# KiCad board Inkplate10_Soldered.kicad_pcb (continued)
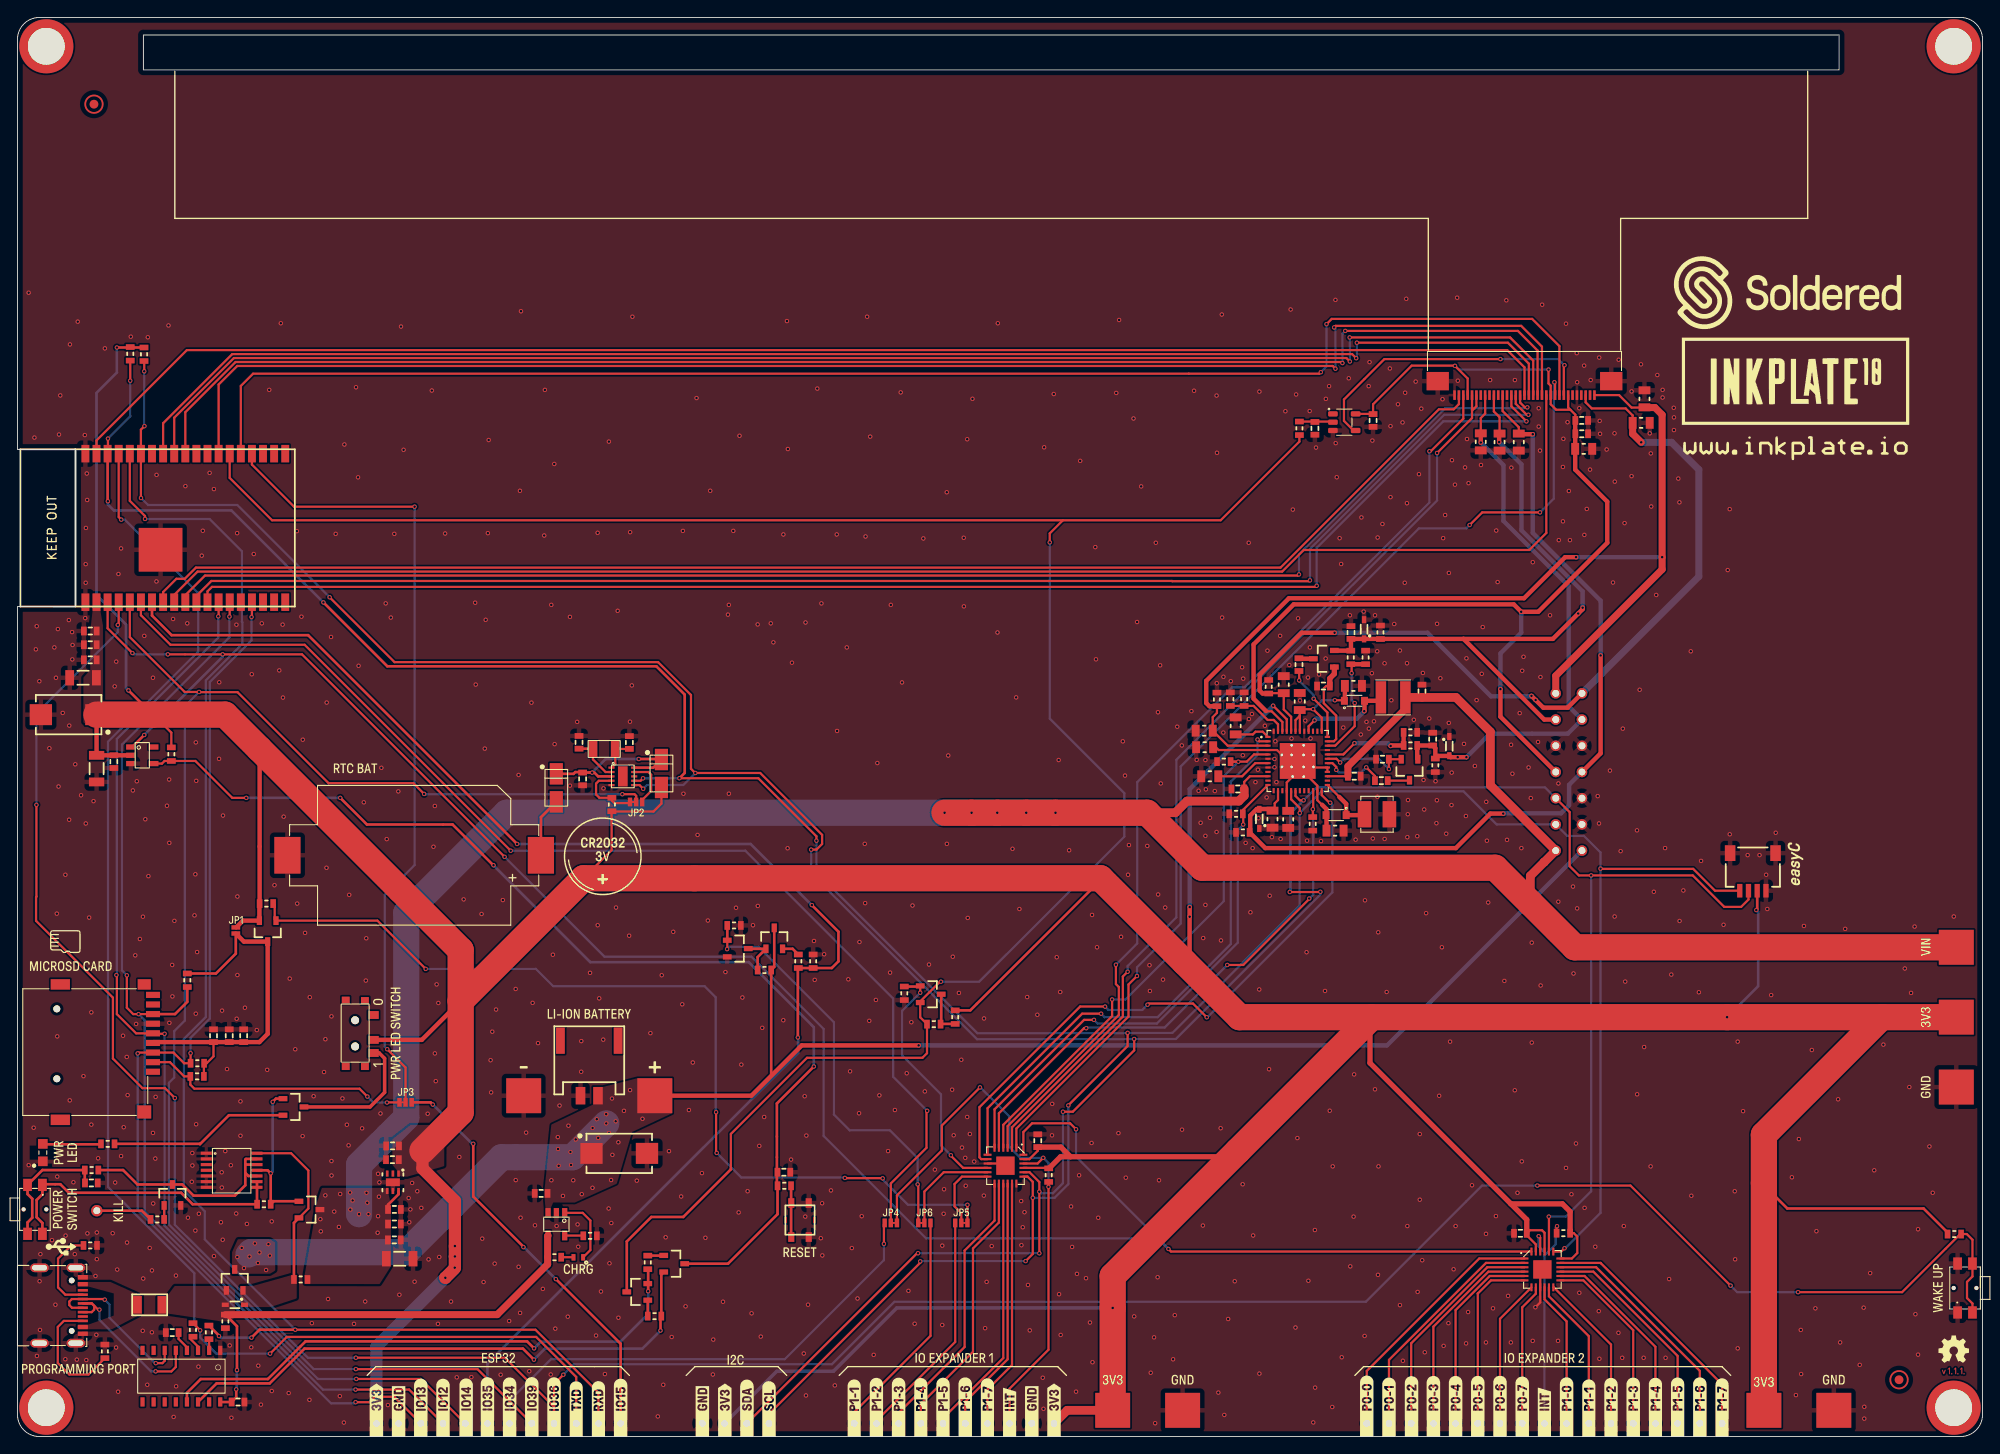
[diagram p0: board, top side]
## Routing (per net, layer and track width the routed paths; a pad name or vN(x,y) marks a point on that pad's centre or on a via; arc(x,y) is an arc through that point) (continued)
/MCU/GPB_3: length 32
  Top w0.254: U9.13 111.78,24.72 108.35,21.29 108.35,10.25 100.8,2.7 K19.1
/MCU/GPB_4: length 31.2
  Top w0.254: K20.1 103.34,3.72 109.31,9.69 109.31,21.53 112.28,24.5 U9.14
/MCU/GPB_5: length 30.3
  Top w0.254: K23.1 105.88,2.09 112.78,8.99 U9.15
/MCU/GPB_6: length 29.5
  Top w0.254: K21.1 108.42,3.99 113.28,8.84 U9.16
/MCU/GPB_7: length 28.6
  Top w0.254: K22.1 110.96,5.38 111.7,6.12 111.71,6.12 113.78,8.19 U9.17
/MCU/INTB: length 67.8
  Top w0.254: 117.97,29.15 117.95,29.12 v1(117.95,28.57) 117.95,9.94 113.5,5.49 K15.1 ; 100.61,24.33 100.61,27.6 105.75,32.74 105.75,35.6 v1(110.11,39.96) ; v1(117.35,31.9) 116.7,31.25 U9.22
  Bottom w0.254: v1(117.35,31.9) 114.72,31.9 113.46,33.16 113.46,36.64 110.14,39.96 v1(110.11,39.96) ; v1(117.35,31.9) 117.95,31.3 v1(117.95,28.57) ; v1(117.35,31.9) 117.33,31.88
/MCU/INTB_K3_JP: length 134.9
  Top w0.254: v1(104.07,37.28) 103.99,37.2 103.99,33.05 99.91,28.97 99.91,24.33 ; v1(56.43,67.05) 32.85,90.62 17.5,90.62 14.12,94 U10.6
  Bottom w0.254: v1(56.43,67.05) 83.28,67.05 83.28,67.03 100.18,50.13 100.18,41.18 v1(104.07,37.28)
/MCU/IO_EX2_INT: length 28.3
  Top w0.254: U11.22 174.2,22.76 v1(174.02,22.93) ; 176.11,24.09 v1(176.13,24.07) 176.08,24.03 R48.2
  Bottom w0.254: 174.68,20.72 K49.1 ; 174.68,20.72 175.97,22.01 175.97,23.92 v1(176.13,24.07) ; 174.68,20.72 174.68,21.11 174.02,21.77 v1(174.02,22.93)
/POWER/INT_LDO: length 6.3
  Top w0.254: C4.2 140.1,75.57 141.61,77.07 U1.7
/POWER/TS: length 7.1
  Top w0.254: R3.2 141.41,83.62 143.01,82.02 143.71,82.02 144.21,81.53 U1.47
/POWER/VB: length 14.6
  Top w0.254: U1.37 149.21,82.27 v1(148.22,83.25) 146.78,83.25 C12.2 146.69,82.48 ; U1.43 146.21,82 146.69,82.48 ; 146.69,82.48 146.71,82.47 U1.42 ; v1(150.71,84.28) 151.74,84.28 D3.1
  Top w0.5: 151.84,85.9 151.86,85.89 151.86,84.27 D3.1
  Bottom w0.254: v1(150.71,84.28) 149.25,84.28 v1(148.22,83.25)
/POWER/VB_SW: length 10.9
  Top w0.254: U1.40 147.71,81.29 v1(148.38,81.97)
  Top w0.5: L2.2 155.59,84.21 D3.2 154.1,83.05 v1(154.08,83.03)
  Bottom w0.5: v1(154.08,83.03) 153.22,82.17 148.58,82.17 v1(148.38,81.97)
/POWER/VN: length 22
  Top w0.254: 145.35,71.81 145.21,71.95 145.21,74.87 U1.49 ; 149.25,72.31 149.23,72.31 148.71,72.84 148.71,74.5 147.68,75.53 147.14,75.53 ; U1.49 148.32,76.57 U1.29 U1.28 ; C3.2 137.09,78.9 137.41,78.57 U1.4 144.09,78.57 U1.49
  Top w0.5: 149.25,72.31 149.75,71.81 C9.2
/POWER/VN_SW: length 6.3
  Top w0.254: U1.25 151.21,73.22 151.21,73.21
  Top w0.5: 151.21,73.21 152,72.42 D1.1 153.85,71.12 153.93,71.05
/POWER/VREF: length 4.1
  Top w0.254: C1.2 141.33,80.37 141.64,80.67 142.46,80.67 U1.1
/SD_RTC_GPIO/CLKOUT_RTC: length 5.4
  Top w0.254: 71.48,72.88 72.49,73.89 72.49,75.75 72.18,76.06 U7.9
/SD_RTC_GPIO/X1: length 3.9
  Top w0.254: U7.1 68.39,77 X1.1 69.99,78.7 C34.2
/SD_RTC_GPIO/X2: length 5.5
  Top w0.254: U7.2 67.28,76.06 65.84,77.5 X1.2
  Top w0.3: C35.2 65.81,78.73 X1.2
D+: length 19.9
  Top w0.254: K2.B6 8.49,14.24 8.77,14.52 8.77,14.95 8.48,15.24 K2.A6 8.51,15.24 9.23,14.52 v1(9.37,14.52) ; U3.5 18.12,7.97 17.6,7.45 15.81,7.45 v1(15.8,7.46)
  Bottom w0.254: v1(15.8,7.46) 15.27,7.46 9.37,13.36 v1(9.37,14.52)
D-: length 18.4
  Top w0.254: v1(9.98,15.67) 9.91,15.74 K2.B7 6.22,15.74 5.93,15.45 5.93,15.04 6.23,14.74 K2.A7 ; v1(15.82,8.4) 16.57,8.4 16.84,8.67 U3.6
  Bottom w0.254: v1(9.98,15.67) 10.53,15.12 10.53,13.58 15.71,8.4 v1(15.82,8.4)
EPD_CKV: length 159.3
  Top w0.254: K12.32 164.9,118.17 164.3,117.58 162.61,117.58 144.49,99.46 20.41,99.46 19.13,98.17 18.18,98.17 16.66,96.66 16.66,95.5
EPD_CL: length 35.1
  Top w0.254: v1(169.65,123.33) 156.38,123.33 151.75,118.7 151.75,116.25 152.85,115.15 U8.4 ; K12.8 176.9,122.55 v1(176.98,122.62)
  Bottom w0.254: v1(176.98,122.62) 176.28,123.33 v1(169.65,123.33)
EPD_D0: length 171.9
  Top w0.254: U10.26 23.01,120.41 25.14,122.54 150.46,122.54 v1(150.78,122.22) ; v1(150.62,126.95) 150.8,127.13 172.02,127.13 174.4,124.75 K12.13
  Bottom w0.254: v1(150.62,126.95) 150.78,126.8 v1(150.78,122.22)
EPD_D1: length 171.5
  Top w0.254: K12.14 173.9,124.3 171.65,126.55 v1(151.9,126.55) ; v1(151.58,122.87) 151.58,122.98 151.57,122.99 24.95,122.99 19.2,117.24 U10.29
  Bottom w0.254: v1(151.9,126.55) 151.58,126.22 v1(151.58,122.87)
EPD_D2: length 170.4
  Top w0.254: v1(152.43,123.05) 152.03,123.44 24.76,123.44 17.93,116.61 U10.30 ; K12.15 173.4,123.15 170.75,125.8 v1(152.4,125.8)
  Bottom w0.254: v1(152.43,123.05) 152.43,125.78 v1(152.4,125.8)
EPD_D3: length 169.5
  Top w0.254: v1(153.15,123.42) 152.68,123.9 24.57,123.9 16.66,115.98 16.66,112.5 ; K12.16 172.9,122.8 170.5,125.2 v1(153.22,125.2)
  Bottom w0.254: v1(153.22,125.2) 153.22,123.5 v1(153.15,123.42)
EPD_D4: length 173.1
  Top w0.254: K12.17 172.4,122.38 170.42,124.35 19.38,124.35 9.04,114.02 U10.37
EPD_D5: length 166.5
  Top w0.254: U10.10 19.2,96.3 21.45,98.55 146.47,98.55 v1(146.6,98.67) ; K12.18 171.9,118.35 172.45,117.8 v1(172.72,117.8)
  Bottom w0.254: v1(172.72,117.8) 172.63,117.7 163.33,117.7 146.6,100.97 v1(146.6,98.67)
EPD_D6: length 166.8
  Top w0.254: v1(147.86,98) 147.76,97.9 132.11,97.9 132.08,97.93 22.18,97.93 20.47,96.22 U10.11 ; v1(172.85,116.95) 172.66,116.95 171.4,118.21 K12.19
  Bottom w0.254: v1(172.85,116.95) 163.22,116.95 147.86,101.59 v1(147.86,98)
EPD_D7: length 166.4
  Top w0.254: v1(172.63,116.2) 170.9,117.92 K12.20 ; U10.12 21.74,96.74 22.25,97.25 148.5,97.25 v1(148.62,97.38)
  Bottom w0.254: v1(172.63,116.2) 163.11,116.2 148.62,101.72 v1(148.62,97.38)
EPD_GMODE: length 110
  Top w0.254: K12.28 166.9,117.92 166.4,117.42 ; 166.4,117.42 166.4,116.58 v1(162.4,112.58) ; 166.4,117.42 K12.29 ; v1(127,53.2) 126.45,52.65 126.45,48.07 113.78,35.39 U9.2
  Bottom w0.254: v1(127,53.2) 127,53.85 132.58,59.43 132.58,77.47 140.42,85.31 140.57,85.31 162.4,107.14 v1(162.4,112.58)
EPD_LE: length 171.5
  Top w0.254: U10.24 25.55,120.25 26.95,121.65 134,121.65 134,121.65 148.92,121.65 v1(149.1,121.83) ; v1(149.75,127.33) 150.35,127.92 173.28,127.92 176.4,124.8 K12.9
  Bottom w0.254: v1(149.1,121.83) 149.75,122.47 v1(149.75,127.33)
EPD_OE: length 121.7
  Top w0.254: v1(128.07,52.71) 127.1,51.74 127.1,48.07 114.28,35.25 U9.1 ; v1(166.13,104.33) 167.57,105.78 v1(174.17,105.78) ; K12.10 175.9,120.6 v1(175.82,120.67)
  Bottom w0.254: v1(175.82,120.67) 175.75,120.6 175.75,107.35 v1(174.17,105.78) ; v1(166.13,104.33) 165.74,103.95 160.33,103.95 133.07,76.69 133.07,58.71 128.07,53.71 v1(128.07,52.71)
EPD_SPH: length 176.5
  Top w0.254: U10.9 17.93,96.33 20.6,99 144.68,99 147.15,101.47 172.95,101.47 174.9,103.42 K12.12
EPD_SPV: length 108.9
  Top w0.254: v1(161.53,112.78) 161.67,112.78 165.4,116.5 K12.31 ; v1(125.66,54) 125.66,51.79 126,51.45 126,48.25 113.28,35.53 U9.3
  Bottom w0.254: v1(125.66,54) 128.1,56.44 128.1,74.9 138.96,85.76 140.38,85.76 161.53,106.91 v1(161.53,112.78)
GPB_2: length 107.2
  Top w0.254: v1(98.97,29.55) 98.95,29.57 94.68,29.57 v1(94.65,29.6) ; JP5.1 v1(108.68,26.53) ; v1(79.92,37.12) 79.92,32.53 v1(79.99,32.46) ; 29.25,61 29.43,60.82 29.43,59.2 Q10.1 41.18,59.05 v1(46.7,53.53)
  Bottom w0.254: v1(79.92,37.12) 79.88,37.16 79.88,50.28 78.6,51.55 61.28,51.55 59.3,53.53 v1(46.7,53.53) ; v1(108.68,26.53) 101.88,26.53 98.97,29.43 v1(98.97,29.55) ; v1(79.99,32.46) 82.8,29.65 94.6,29.65 v1(94.65,29.6)
GPIO15: length 48
  Top w0.3: v1(57.88,21.68) 57.88,21.73 52.14,27.47 v1(52.14,33.51) ; v1(47.51,38) 47.26,38.25 JP3.3 ; v1(61.59,18.02) 61.6,18.02 69,10.62 K38.1
  Bottom w0.3: v1(47.51,38) 52,33.51 v1(52.14,33.51) ; v1(61.59,18.02) 57.93,21.68 v1(57.88,21.68)
GPIO_0: length 260.8
  Top w0.254: U10.25 24.28,109.72 29.12,104.88 119.59,104.88 ; v1(118.09,102.34) 118.09,103.37 119.59,104.88 ; 119.59,104.88 137.65,104.88 146.65,113.88 R46.1 ; v1(105.64,52.06) 105.53,52.06 103.28,49.81 Q1.2 103.28,47.98 R21.1 104.05,43.88 103.53,43.35 90.33,43.35 81.61,34.63 81.61,30.67
  Top w0.3: Q3.3 69.71,22.32 72.51,25.13 76.16,25.13 81.61,30.58 81.61,30.67
  Bottom w0.254: v1(118.09,102.34) 118.09,82.17 126.62,73.64 126.62,68.66 110.02,52.06 v1(105.64,52.06)
GPIO_0_MOSFET: length 29.2
  Top w0.254: v1(106.78,32.19) 106.78,32.15 108.18,30.75 U9.10 ; v1(103.28,50.8) Q1.1
  Top w0.3: R19.2 103.21,51.5 Q1.1
  Bottom w0.254: v1(103.28,50.8) 101.2,48.72 101.2,43.62 105.65,39.18 105.65,33.32 v1(106.78,32.19)
GPIO_36: length 328.4
  Top w0.254: SW3.2 223.65,15.22 223.03,15.85 223.03,17.7 223.65,18.32 SW3.2 223.65,22.53 223,23.18 R41.1 222.25,23.18 215.6,16.53 v1(203.7,16.53) ; 61.38,3.4 K37.1 ; 61.38,3.4 55.75,9.02 v1(38.71,9.02) ; 61.38,3.4 61.38,6 v1(62.45,7.07) ; 11.58,95.5 11.58,93 v1(11.47,92.9) ; v1(18,38.75) 16.88,39.88 14.3,39.88 10.92,43.26 10.92,50.23 2.12,59.03 2.12,61.75 2.17,61.79 v1(2.17,72.3) ; v1(195.97,17.28) 184.53,28.72 v1(173.88,28.72)
  Bottom w0.254: v1(11.47,92.9) 11.47,92.07 2.17,82.77 v1(2.17,72.3) ; v1(173.88,28.72) 167.55,28.72 154.25,15.43 100.33,15.43 93.18,8.28 63.65,8.28 v1(62.45,7.07) ; v1(195.97,17.28) 196.72,16.53 v1(203.7,16.53) ; v1(18,38.75) 18,24.24 33.23,9.01 38.7,9.01 v1(38.71,9.02)
GPIO_39: length 183.2
  Top w0.254: U10.5 12.85,91.5 19.12,85.22 v1(20.78,85.22) 20.8,85.2 25.17,85.2 35.59,74.78 45.29,74.78 v1(46.52,73.55) ; v1(38.71,7.72) 38.72,7.71 52.63,7.71 K36.1 ; v1(69.2,73.52) 70.59,73.52 70.78,73.33 70.78,72.88
  Bottom w0.254: v1(38.71,7.72) 33.88,7.72 17.32,24.28 17.32,40.48 17.93,41.09 17.93,46.39 19.15,47.61 19.15,83.6 v1(20.78,85.22) ; v1(46.52,73.55) 46.56,73.51 69.19,73.51 v1(69.2,73.52)
I2C_SCL: length 389.9
  Top w0.254: v1(103.28,20.05) 103.28,19.89 85.97,2.59 K6.1 ; v1(127,46.2) 127,44.7 120.22,37.92 v1(120.22,37.9) ; U10.36 10.35,112.54 v1(10.35,114.22) ; U7.7 71.28,75.06 v1(71.56,75.34) ; v1(91.4,68.2) 91.4,68.7 84.75,75.35 v1(75.72,75.35) ; U11.19 176.6,21.18 v1(176.98,21.55) ; 145.71,73.93 145.71,72.93 146.69,71.95 v1(146.69,71.37) ; v1(181.1,65) 181.13,64.97 191.7,64.97 194.2,62.47 K3.1 ; U9.19 115.55,29.75 116.15,29.15 v1(116.15,27.32) 116.15,20.9 v1(115.33,20.08) ; R1.1 v1(12.9,120.85)
  Top w0.3: v1(10.34,107.05) 10.31,107.08 U10.36 ; v1(75.72,75.35) 76.33,75.96 76.33,84.92 73.09,88.16 42.31,88.16 v1(35,95.47)
  Bottom w0.254: v1(91.4,68.2) 91.4,64.57 109.81,46.16 126.96,46.16 v1(127,46.2) 132.12,46.2 146.68,60.75 146.68,71.35 v1(146.69,71.37) 149.17,73.85 165.42,73.85 169.21,70.06 K1.6 177.29,68.75 179.2,68.75 181.1,66.85 181.1,25.6 177.05,21.55 v1(176.98,21.55) ; v1(115.33,20.08) 103.31,20.08 v1(103.28,20.05) ; v1(71.56,75.34) 75.63,75.34 75.64,75.35 v1(75.72,75.35) ; v1(12.9,120.85) 12.9,116.78 v1(10.35,114.22) ; v1(120.22,37.9) 120.22,28.9 118.65,27.32 v1(116.15,27.32)
  Bottom w0.3: v1(10.34,107.05) 10.34,106.69 11.03,106 24.47,106 v1(35,95.47)
I2C_SDA: length 401.7
  Top w0.254: v1(35.71,96.06) 43.13,88.64 73.29,88.64 77.05,84.88 77.05,76.43 77.53,75.95 v1(77.55,75.95) 84.97,75.95 92.05,68.87 92.05,67.82 91.4,67.18 v1(90.8,67.18) ; v1(71.58,74.14) 71.16,74.56 U7.6 ; K1.5 177.57,71.47 177.57,65.28 178.63,64.22 v1(180.03,64.22) 191.65,64.22 195.26,60.62 197.18,60.62 198.03,61.47 K3.2 ; v1(145.55,62.32) 149.03,62.32 v1(149.05,62.35) ; U9.20 115.78,30.25 116.9,29.12 v1(116.9,28.03) v1(116.9,20.97) ; v1(14.13,107.42) 14.12,107.43 U10.33 14.12,115.25 v1(14.53,115.65) ; v1(175.18,25.17) 175.2,25.15 U11.20 ; 146.21,73.93 146.21,73.32 146.71,72.82 v1(147.13,72.82) ; K7.1 102.91,20.98 v1(103.02,20.98) ; v1(119.6,37.18) 120.72,37.18 127.75,44.2 v1(127.75,45.5) ; R4.1 14.5,123.08 v1(14.5,121.92)
  Bottom w0.254: v1(103.02,20.98) 116.9,20.98 v1(116.9,20.97) ; v1(35.71,96.06) 25.15,106.62 14.94,106.62 14.14,107.42 ; v1(116.9,28.03) 117.08,27.85 118.45,27.85 119.6,29 v1(119.6,37.18) ; v1(71.58,74.14) 72.01,74.57 76.17,74.57 v1(77.55,75.95) ; v1(175.18,25.17) 175.19,25.18 177.13,25.18 180.03,28.07 v1(180.03,64.22) ; v1(14.5,121.92) 14.5,115.67 v1(14.53,115.65) ; v1(147.13,72.82) 148.61,74.3 174.74,74.3 K1.5 ; v1(149.05,62.35) 149.05,62.03 132.52,45.5 v1(127.75,45.5) 127.72,45.47 109.78,45.47 90.8,64.45 v1(90.8,67.18)
  Bottom w0.3: v1(147.13,72.82) 147.12,72.82 145.62,71.32 145.62,62.4 v1(145.55,62.32)
INT: length 67.2
  Top w0.254: v1(141.86,79.78) 142.06,79.57 U1.2 ; U9.7 110.97,37.57 121.8,48.4 v1(123.97,48.4)
  Bottom w0.254: v1(141.86,79.78) 141.86,78.02 138.8,74.96 138.8,56.37 130.43,48 124.37,48 v1(123.97,48.4)
MANUAL_RST: length 124.4
  Top w0.254: U2.4 16.53,77.03 16.83,77.32 R22.1 20.35,77.32 24.58,73.1 v1(26.18,73.1)
  Top w0.3: v1(36.93,73.1) 39.97,70.05 49.78,70.05 54.43,65.39 v1(54.46,65.39) ; Q2.3 81.28,19.78 86.95,25.45 R33.2 86.88,28.78 86.88,38.12 v1(91.1,42.35)
  Bottom w0.3: v1(54.46,65.39) 54.46,65.37 65.53,54.3 83.65,54.3 91.1,46.85 v1(91.1,42.35) ; v1(26.18,73.1) v1(36.93,73.1)
PWR_GOOD: length 71.1
  Top w0.254: 149.21,73.93 149.21,73.42 150.08,72.55 v1(150.18,72.55) ; v1(136.05,47.99) 134.48,49.56 129.41,49.56 v1(129.28,49.43) ; U9.8 110.25,31.75 110.05,31.95 110.05,37.7 121.57,49.22 124.41,49.22 v1(124.42,49.21)
  Bottom w0.254: v1(136.05,47.99) 136.13,47.99 150.43,62.28 150.43,72.3 v1(150.18,72.55) ; v1(124.42,49.21) 124.81,48.82 128.68,48.82 v1(129.28,49.43)
PWRUP: length 63.1
  Top w0.254: U9.5 112.28,37 122.02,46.74 v1(122.27,46.74) ; v1(138.4,53.97) 140.22,53.97 147.78,61.53 v1(147.78,61.58) ; 148.21,73.93 148.23,73.9 148.23,71.84 v1(148.19,71.8) 148.19,70.91 R7.1
  Bottom w0.254: v1(148.19,71.8) 148.22,71.76 148.22,62.03 v1(147.78,61.58) ; v1(122.27,46.74) 122.35,46.82 131.25,46.82 v1(138.4,53.97)
RST: length 245
  Top w0.254: v1(17.2,89.53) v1(23.48,89.53) 32.55,89.53 v1(55.72,66.35) ; v1(121.1,35.17) 120.42,35.85 116.07,35.85 115.08,34.85 U9.24 ; v1(131.67,21.47) 131.97,21.18 U11.24 ; v1(13.15,89.68) 10.31,92.51 U10.3
  Top w0.3: 12.98,78.93 13.12,78.93 v1(14.5,80.3)
  Bottom w0.254: v1(55.72,66.35) 67.15,54.93 83.95,54.93 92.22,46.65 92.22,34.4 103.94,22.68 130.46,22.68 v1(131.67,21.47) 121.1,32.04 v1(121.1,35.17) ; v1(13.15,89.68) 13.3,89.53 v1(17.2,89.53)
  Bottom w0.3: v1(23.48,89.53) 23.48,89.28 v1(14.5,80.3)
RXD: length 170.1
  Top w0.254: v1(14.59,105.03) 14.59,105.36 12.85,107.1 U10.34 ; K17.1 66.46,5.02 59.25,12.22 v1(31.78,12.22)
  Top w0.3: 21.84,12.76 23.05,11.55 v1(23.05,11.5) ; v1(26.77,11.32) 27.68,12.22 v1(31.78,12.22)
  Bottom w0.254: v1(31.78,12.22) 21.43,22.57 21.43,25.78 19.03,28.18 19.03,45.5 21.55,48.02 21.55,86.55 25.73,90.73 25.73,93.21 25.68,93.26 25.68,101.33 21.98,105.03 14.59,105.03 v1(14.59,105.03)
  Bottom w0.3: v1(23.05,11.5) 23.23,11.32 v1(26.77,11.32)
SPI_CS: length 92.4
  Top w0.254: U10.23 26.82,111.25 31.64,106.43 v1(45.43,106.43) ; JP3.2 44.4,42.23 v1(42.3,44.33)
  Bottom w0.254: v1(45.43,106.43) 45.43,65.41 42.02,62 42.02,44.61 v1(42.3,44.33)
SPI_MISO: length 128.3
  Top w0.254: v1(38.68,5.38) 44.81,5.38 K26.1 ; v1(12.51,52.79) 12.51,49.08 13.24,48.35 v1(13.85,48.35) K11.7 ; U10.14 24.28,93.88 v1(24.25,93.85)
  Top w0.3: K11.7 18.02,48.35 19.43,49.75 R45.1
  Bottom w0.254: v1(38.68,5.38) 34.94,5.38 14.55,25.77 14.55,47.65 v1(13.85,48.35) ; v1(12.51,52.79) 11.95,53.35 11.95,79.19 24.25,91.49 v1(24.25,93.85)
SPI_MOSI: length 123.3
  Top w0.254: v1(13.75,43.85) 13.85,43.95 K11.3 17.84,43.95 19.07,42.72 19.8,42.72 v1(19.8,43.88) ; U10.16 26.82,93.84 v1(26.78,93.8) ; v1(38.68,3.93) 40.25,3.93 40.87,4.55 43.1,4.55 46.14,1.51 K27.1
  Bottom w0.254: v1(26.78,93.8) 26.78,91.13 22,86.36 22,47.83 19.8,45.63 v1(19.8,43.88) ; v1(13.75,43.85) 13.75,25.93 35.88,3.8 38.55,3.8 v1(38.68,3.93)
SPI_SCK: length 124.1
  Top w0.254: U10.13 23.01,93.91 v1(22.98,93.88) ; v1(16.83,46.1) 15.55,46.1 K11.5 13.57,46.15 11.37,48.35 11.37,52.77 v1(11.32,52.82) ; v1(38.76,6.59) 46.13,6.59 K25.1
  Bottom w0.254: v1(22.98,93.88) 22.98,91.46 11.37,79.85 11.37,52.87 v1(11.32,52.82) ; v1(16.83,46.1) 16.83,24.13 34.37,6.59 v1(38.76,6.59)
SW_IN: length 19.9
  Top w0.254: Q9.2 33.28,26.1 33.28,30.45 31.3,32.43 27.4,32.43
  Top w0.3: R34.1 31.62,24.45 Q9.2
SW_OUT_D: length 18.2
  Top w0.3: U5.11 28.62,30.47 v1(28.97,30.12) R38.2 29.31,26.93 32.19,26.93 32.2,26.93 ; Q6.1 29.56,38.68 v1(29.2,38.31)
  Bottom w0.3: v1(28.97,30.12) 29.2,30.36 v1(29.2,38.31)
TXD: length 166.8
  Top w0.254: K16.1 63.92,6.82 59.34,11.4 30.81,11.4 v1(28.9,9.49) ; 11.58,112.5 11.58,105.24 v1(11.87,104.95) ; v1(20.9,12.15) R23.2
  Bottom w0.254: v1(28.9,9.49) 22.74,9.49 20.9,11.33 v1(20.9,12.15) 20.23,12.82 20.23,18.69 10.35,28.57 10.35,79.53 20.68,89.85 20.68,96.55 12.28,104.95 v1(11.87,104.95)
V_BAT: length 170.2
  Top w0.3: U10.7 15.39,93.96 17.62,91.72 33.25,91.72 v1(57.15,67.82) ; v1(90.88,60.82) 93.92,57.78 93.92,54.39 93.16,53.62 R31.2 R30.1 89.28,53.57 v1(89.28,45.68)
  Bottom w0.3: v1(90.88,60.82) 83.88,67.82 v1(57.15,67.82) ; v1(89.28,45.68) 89.3,45.65 89.3,43.91 53.76,8.37 K14.1
V_BAT_MOS: length 48.3
  Top w0.254: JP6.1 103.05,28.79 v1(102.98,28.86) ; v1(81.18,55.79) 81.2,55.81 Q4.1
  Top w0.3: Q4.1 81.2,58.5
  Bottom w0.254: v1(81.18,55.79) 81.44,56.05 84.78,56.05 93.4,47.43 93.4,36.85 95.2,35.05 99.8,35.05 102.98,31.87 v1(102.98,28.86)
VCOM: length 100.6
  Top w0.254: 143.83,71.83 143.83,72.47 144.21,72.85 144.21,73.93 ; C56.2 171.75,115.53 169.9,117.38 K12.22
  Top w0.5: v1(181.11,89.4) 181.11,78.2 K1.11 ; v1(169.97,71.3) 168.5,71.3 164.55,67.35 142.75,67.35 R11.2 141.02,69.22 141.02,71.07 141.78,71.82 143.82,71.82 143.83,71.83 ; C56.2 171.83,114.72 v1(173.35,114.72)
  Bottom w0.5: v1(169.97,71.3) 170,71.32 176.58,71.32 177.5,72.25 177.5,74.59 K1.11 ; v1(173.35,114.72) 173.35,103.42 181.11,95.66 v1(181.11,89.4)
VCOM_CTRL: length 60
  Top w0.254: v1(123.15,47.69) 122.02,47.69 111.78,37.45 U9.6 ; U1.12 140.22,71.75 v1(140.22,70.05)
  Bottom w0.254: v1(140.22,70.05) 139.6,69.43 139.6,56.53 130.35,47.28 123.56,47.28 v1(123.15,47.69)
VNEG: length 117.6
  Top w0.254: K12.1 183.22,119.2 184.65,117.78 186.15,117.78 ; U1.3 138.45,79.07 C2.2 136.74,82.34 137.22,82.83 R8.1
  Top w0.5: v1(178.3,100.65) 177.05,100.65 172.35,95.95 145.45,95.95 135.99,86.49 135.99,83.96 136.36,83.59 R8.1
  Top w0.8: 186.15,117.78 187.33,117.78 188.15,116.95 v1(188.15,100.65) 188.15,99.25 175.97,87.07 K1.1
  Bottom w0.5: v1(188.15,100.65) v1(178.3,100.65)
VPOS: length 102.6
  Top w0.254: U1.44 145.71,82.38 144.86,83.22 C13.2 143.18,85.09 R9.1 ; C54.2 184.78,116.88 183.97,117.67 180.1,117.67 179.4,118.38 K12.3
  Top w0.5: v1(173.2,84.78) v1(173.67,84.3) 174.55,83.43 177.34,83.43 K1.14 ; R9.1 142.44,85.04 142.11,85.38 142.11,87.2 146.91,92 v1(150.68,92)
  Top w0.8: C54.2 184.78,114.78 v1(185.76,113.8)
  Bottom w0.5: v1(150.68,92) 161.3,92 168.58,84.72 173.15,84.72 v1(173.2,84.78) v1(173.67,84.3)
  Bottom w0.8: K1.14 192.35,98.44 192.35,110.67 189.23,113.8 v1(185.76,113.8)
VUSB: length 54.7
  Top w0.3: U3.16 23.21,3.95 C20.2 25.03,4.47 v1(25.03,5.4) ; R36.2 25.11,12.62 v1(25.11,7.6)
  Top w0.8: R36.2 54.89,13.96 60.65,19.72 R28.1 60.65,22.95 U4.4
  Bottom w0.3: v1(25.03,5.4) 25.1,5.47 25.1,7.59 v1(25.11,7.6)
WAKEUP: length 61.7
  Top w0.254: v1(125.22,50.03) 125.22,48.12 112.78,35.67 U9.4 ; v1(139.67,77.24) 138.79,77.24 R5.1 140.64,77.25 141.47,78.07 U1.5
  Bottom w0.254: v1(139.67,77.24) 138,75.57 138,61.28 126.75,50.03 v1(125.22,50.03)
Net-(C16-Pad1): length 2.5
  Top w0.254: D6.3 159.2,75.07 C16.1
Net-(C17-Pad2): length 1.7
  Top w0.5: 148.25,89.03 146.66,89.03 C17.2
Net-(C22-Pad2): length 2.4
  Top w0.254: U3.4 19.39,10.22 18.43,11.17 C22.2
Net-(C32-Pad2): length 14.8
  Top w0.3: C32.2 7.7,29.04 R39.1 2.85,30.5 SW2.2 1.15,27.75 1.69,27.21 1.69,25.04 1.15,24.5 SW2.2
Net-(C40-Pad2): length 3.9
  Top w0.254: 146.65,116.17 150.41,116.17 U8.2
Net-(D8-Pad1): length 1.4
  Top w0.254: R28.2 63.59,20.53 D8.1
Net-(D8-Pad2): length 7.9
  Top w0.254: U4.1 64.66,25.6 65.54,24.72 65.54,21.34 D8.2
Net-(D9-Pad1): length 6.2
  Top w0.3: 9.52,33.47 9.5,33.45 3.35,33.45
Net-(D12-Pad1): length 6.8
  Top w0.3: D12.1 59.88,70.89 K10.+
Net-(JP2-Pad1): length 7.7
  Top w0.254: U7.4 66.51,75.06 66.19,74.74 66.19,73.49 66.56,73.12 R42.1 68,72.8 68.3,72.5 69.94,72.5 70.07,72.63
Net-(JP3-Pad1): length 30.7
  Top w0.254: JP3.1 42.29,38.25 v1(42.27,38.23) ; K11.2 17.44,42.85 19.07,41.22 R43.1 19.78,40.28 20.24,39.81 39.13,39.81 v1(40.03,38.91)
  Bottom w0.254: v1(40.03,38.91) 40.71,38.23 v1(42.27,38.23)
Net-(JP4-Pad3): length 56.3
  Top w0.254: 99.2,24.32 99.12,24.24 v1(99.12,22.06)
  Bottom w0.254: K13.1 56.3,4.12 61.03,8.85 87.78,8.85 99.12,20.19 v1(99.12,22.06)
Net-(JP5-Pad2): length 8.9
  Top w0.254: U9.12 108.05,29.75 107.2,28.9 107.2,26.35 107.97,25.57 JP5.2
Net-(JP5-Pad3): length 26.7
  Top w0.254: JP5.3 107.28,10.82 98.26,1.81 K18.1
Net-(JP6-Pad2): length 11.7
  Top w0.254: JP6.2 103.75,28.04 105.96,30.25 U9.11
Net-(JP6-Pad3): length 26.6
  Top w0.254: K24.1 95.72,2.79 104.45,11.53 JP6.3
Net-(K2-PadA5): length 10
  Top w0.254: K2.A5 5.47,16.24 4.64,17.07 4.64,20.37 6.15,21.88 R18.1
Net-(K2-PadB5): length 14
  Top w0.254: K2.B5 5.31,13.24 4.61,12.54 4.61,8.41 5.93,7.1 8.12,7.1 R17.1
Net-(K9-Pad1): length 6.6
  Top w0.3: K9.1 14.23,25.85 R37.2
Net-(K28-Pad1): length 29.4
  Top w0.254: U11.1 167.22,20.38 154.36,7.51 K28.1
Net-(K29-Pad1): length 27.4
  Top w0.254: U11.2 168,19.88 156.9,8.78 K29.1
Net-(K30-Pad1): length 25.7
  Top w0.254: U11.3 168.14,19.38 159.44,10.67 K30.1
Net-(K31-Pad1): length 24.1
  Top w0.254: U11.4 168.28,18.88 161.98,12.57 K31.1
Net-(K32-Pad1): length 22.5
  Top w0.254: U11.5 168.42,18.38 164.52,14.47 K32.1
Net-(K33-Pad1): length 20.8
  Top w0.254: U11.6 168.57,17.88 167.06,16.37 167.06,16.37 K33.1
Net-(K34-Pad1): length 17.1
  Top w0.254: U11.7 169.6,13.47 K34.1
Net-(K35-Pad1): length 16.2
  Top w0.254: K35.1 172.14,14.79 173.7,16.35 U11.8
Net-(K39-Pad1): length 16.6
  Top w0.254: U11.10 174.7,15.7 177.22,13.18 K39.1
Net-(K40-Pad1): length 17.5
  Top w0.254: U11.11 175.2,16.05 179.76,11.49 K40.1
Net-(K41-Pad1): length 18.3
  Top w0.254: K41.1 182.3,10.53 175.75,17.07 U11.12
Net-(K42-Pad1): length 21.4
  Top w0.254: K42.1 184.84,12.17 179.13,17.88 U11.13
Net-(K43-Pad1): length 23
  Top w0.254: U11.14 179.28,18.38 187.38,10.27 K43.1
Net-(K44-Pad1): length 25.1
  Top w0.254: U11.15 180.28,18.88 189.92,9.23 K44.1
Net-(K45-Pad1): length 26.9
  Top w0.254: U11.16 180.6,19.38 192.46,7.51 K45.1
Net-(K46-Pad1): length 28.7
  Top w0.254: K46.1 195,5.97 181.1,19.88 U11.17
Net-(Q1-Pad3): length 5.1
  Top w0.3: R20.1 105.62,47.23 R21.2 105.68,47.28 Q1.3
Net-(Q2-Pad1): length 1.8
  Top w0.3: R26.1 73.91,20.71 Q2.1
Net-(Q3-Pad1): length 1.8
  Top w0.3: R27.1 Q3.1
Net-(Q4-Pad3): length 4.9
  Top w0.3: R29.1 84.68,54.88 Q5.1 83.62,55.82 Q4.3
Net-(Q5-Pad2): length 2.1
  Top w0.3: R30.2 88.68,55.82 Q5.2
Net-(Q6-Pad2): length 20.7
  Top w0.3: Q6.2 24.19,36.78 20.88,33.47 20.85,33.5 R35.1
Net-(Q6-Pad3): length 15.3
  Top w0.4: Q6.3 40.34,37.72 42,39.39 42,43.28 41.38,43.9 S1.3
Net-(Q8-Pad1): length 1.6
  Top w0.254: R37.1 Q8.1
Net-(Q8-Pad3): length 25.7
  Top w0.3: 26.06,31.22 26.16,31.12 U5.12 ; 26.06,31.22 26.06,31.69 26.15,31.78 U5.13 ; 26.06,31.22 26.06,30.17 ; 26.06,30.17 26.41,29.82 U5.10 ; 26.06,30.17 26.06,28.76 24.87,27.57 20.14,27.57 18.86,28.85 Q8.3 13.73,28.85 12.08,30.5 9.25,30.5
Net-(R32-Pad1): length 2.1
  Top w0.254: U4.5 64.71,23 R32.1
Net-(R33-Pad1): length 5.9
  Top w0.3: SW1.2 88.5,22.85 R33.1
Net-(R38-Pad1): length 34.5
  Top w0.3: R38.1 20.03,26.59 18.72,27.9 5.88,27.9 4.9,28.88 4.3,28.88 ; U5.9 27.4,26.38 ; 4.3,28.88 2.93,28.88 SW2.1 2.85,27.73 2.19,27.07 2.19,25.1 2.85,24.44 SW2.1

## Copper pours and planes (outline as drawn; the poured copper is in the pictures)
3V3 on Top: 48.38,35.66 48.83,34.97 48.82,30.95 44.59,29.74 43.44,29.74 43.44,30.44 42.89,31.09 42.89,34.03 44.98,35.66
3V3 on Top: 9.49,94.5 9.78,92.82 9.78,81.7 8.65,81.23 7.54,81.72 7.54,86.87 8.33,87.76 8.33,88.9 8.33,92.2 8.59,94.5 8.59,96.5 9.49,96.5
GND on Top, Bottom: 224.8,0 0,0 0,162.4 224.8,162.4
VBAT on Top, Bottom: 74.91,37.01 70.31,34.86 68.56,28.94 63.76,26.78 61.29,26.79 61,26.15 61,25.05 60.4,25.05 60.4,26.15 60.3,27.32 60.3,28.32 61.07,35.71 65.86,38 65.86,40.01 66.96,40.01 70.91,41.01 74.91,41.01
VBAT on Top, Bottom: 29.49,19 28.88,18.63 25.15,18.62 24.55,18.62 24.55,21.12 25.21,22.59 28.87,22.58 29.49,22.2
VIN on Top: 42.45,27.75 42.73,26.49 42.73,26.29 42.71,19.48 41.43,17.45 33.5,17.47 32.85,17.47 32.85,18.48 34.1,25.68 34.1,26.27 34.82,28.46 42.45,28.46
VIN on Bottom: 42.45,27.76 42.73,26.49 42.72,22.85 33.61,22.85 34.1,26.27 34.82,28.46 42.45,28.46
SW_IN on Top: 31.95,15.81 28.94,14.82 25.57,14.82 25.57,15.33 25.5,16.22 25.5,17.23 26.9,17.23 31.25,18.45 31.95,18.48
VUSB on Top: 24.89,16.75 24.88,15.08 24.88,14.28 24.88,13.65 24.26,13.17 23.28,13.18 17.19,14.07 16.02,14.07 16.02,16.08 17.13,16.08 17.98,17.23 24.2,17.23
Net-(F1-Pad2) on Top: 14.23,16.07 14.23,14.07 10.78,12.27 6.9,12.28 6.9,12.79 8.05,12.79 11.01,13.84 11.01,16.38 8.05,17.18 6.9,17.18 6.9,17.69 10.64,17.69
